# Altium PCB pokey.PcbDoc (part 2 of 4) (continued)
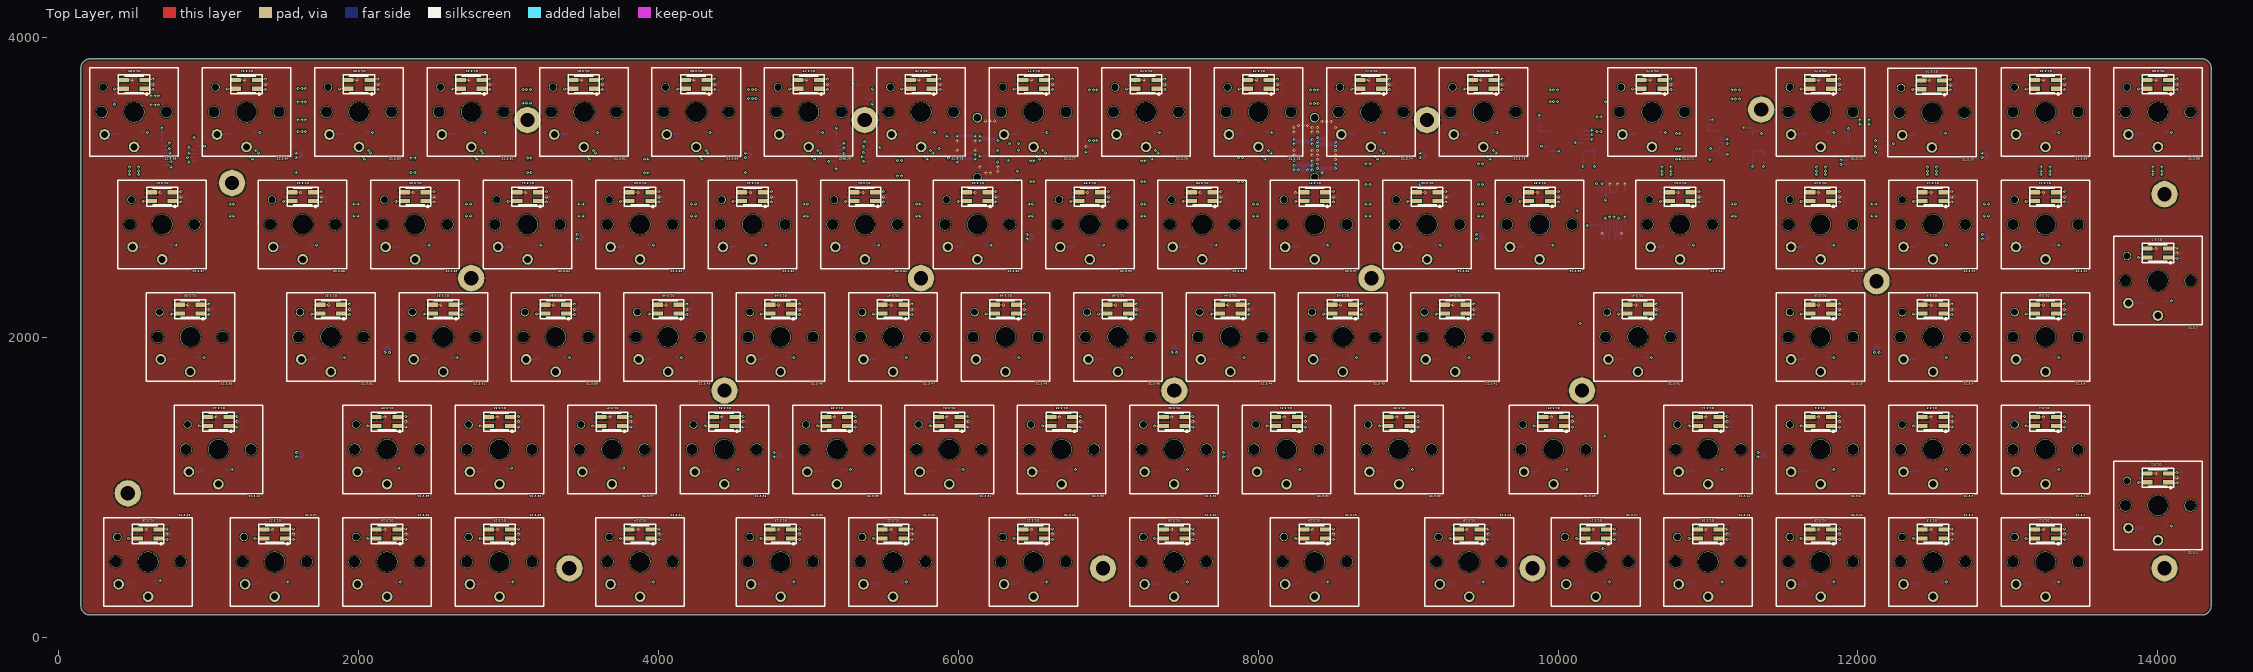
[diagram p0: Top Layer view]
## Nets (pads, with @x,y where several pads share a name; then routed paths per layer and width w, separated by ;. In a path a pad name is that pad's centre, name@x,y a point inside that pad or via, vN(x,y) a via of type N, cw(c..) or ccw(c..) an arc to the next point about the centre after c; other vN are vias at no path point) (continued)
  Bottom Layer w10: U1.2.14@687.5,3302.5 686.67,3303.33 686.67,3391.05 688.64,3393.02 v1(688.64,3395.73) ; v1(900,3335) 919.78,3315.22 U1.2.1@919.78,3302.5 ; U2.2.14@5186.36,3304.27 5185.53,3305.1 C2.2.1@5185.53,3362.5 5185.53,3392.83 5187.5,3394.79 v1(5187.5,3397.5) ; v1(5372.5,3307.5) 5375.21,3307.5 5378.43,3304.27 U2.2.1@5418.64,3304.27 ; R4.2.2@5427.5,3624.47 v1(5427.5,3657.5) ; R7.2.2@9872.13,3451.76 v1(9872.13,3484.79) ; v1(9890,3275) 9893.82,3271.18 U5.2.3@9945,3271.18 ; v1(10167.13,3139.79) 10167.13,3142.49 10169.09,3144.46 C8.2.1@10169.09,3174.79 10169.41,3175.1 U5.2.16@10169.41,3220 ; U5.2.11@10169.41,3347.95 10220.29,3347.95 v1(10227.13,3354.79) ; v1(10192.5,2747.5) C10.2.1@10222.5,2747.5 10265.97,2747.5 10267.71,2745.75 U6.2.16@10267.71,2745.22 ; v1(10242.13,3139.79) R5.2.2@10242.13,3172.82 ; R2.2.2@11001.7,3451.76 11002.58,3450.88 11029.12,3450.88 v1(11030,3450) ; v1(11016.7,3259.79) 11030.89,3245.59 U4.2.2@11074.57,3245.59 U4.2.3@11074.57,3271.18 ; v1(11296.7,3139.79) 11298.67,3141.76 C5.2.1@11298.67,3174.79 11298.98,3175.1 U4.2.16@11298.98,3220 ; U4.2.11@11298.98,3347.95 U4.2.10@11298.98,3373.54 11342.94,3373.54 v1(11356.7,3359.79) ; v1(11371.7,3139.79) R1.2.2@11371.7,3174.79 ; U3.2.14@11935.92,3309.27 11935.92,3361.36 C3.2.1@11937.07,3362.5 v1(11937.07,3392.5) ; v1(12117.07,3312.5) 12119.77,3312.5 12123,3309.27 U3.2.1@12168.21,3309.27
  Bottom Layer w15: v1(1580,3200) 1610.96,3200 C12.1.2@1625,3214.04 1609.04,3230 v1(1580,3230) ; v1(4580,3200) 4610.96,3200 C13.1.2@4625,3214.04 4609.04,3230 v1(4580,3230) ; v1(5990,3170) 6001.56,3181.56 6042.97,3181.56 U1.1.27@6049.25,3187.84 ; v1(5990,3200) 5991.35,3200 5997.24,3194.11 6042.97,3194.11 U1.1.27@6049.25,3187.84 ; v1(5990,3345) 5990.32,3345.32 U1.1.19@6049.25,3345.32 6049.56,3345 v1(6110,3345) ; v1(6110,3190) 6051.41,3190 U1.1.27@6049.25,3187.84 ; v1(6145,3210) 6201.1,3210 U1.1.26@6202.06,3209.04 ; v1(6145,3310) 6146.35,3310 6155.7,3319.35 6197.3,3319.35 U1.1.20@6203.58,3325.63 ; v1(6145,3345) 6158.09,3331.91 6197.3,3331.91 U1.1.20@6203.58,3325.63 ; U1.1.26@6203.58,3207.52 U1.1.26@6202.06,3209.04 ; v1(6260,3210) 6259.04,3209.04 U1.1.26@6202.06,3209.04 ; v1(6265,3315) 6263.65,3315 6257.66,3320.99 6208.22,3320.99 U1.1.20@6203.58,3325.63 ; v1(9077.5,3200) C14.1.2@9108.46,3200 ; v1(9077.5,3230) 9106.54,3230 C14.1.2@9122.5,3214.04 ; v1(12827.07,3200) 12858.03,3200 C15.1.2@12872.07,3214.04 12856.1,3230 v1(12827.07,3230) ; C14.1.2@9108.46,3200 9110.31,3200 9122.5,3212.19 C14.1.2@9122.5,3214.04 ; C14.1.2@9108.46,3200 C14.1.2@9122.5,3214.04
5V: C1.1.2 C1.3.1.1 C1.3.2.1 C1.3.3.1 C1.3.4.1 C1.3.5.1 C1.3.6.1 C1.3.7.1 C1.3.8.1 C1.3.9.1 C1.3.10.1 C1.3.11.1 C1.3.12.1 C1.3.13.1 C1.3.14.1 C1.3.15.1 C1.3.16.1 C1.3.17.1 C1.3.18.1 C1.3.19.1 C1.3.20.1 C1.3.21.1 C1.3.22.1 C1.3.23.1 C1.3.24.1 C1.3.25.1 C1.3.26.1 C1.3.27.1 C1.3.28.1 C1.3.29.1 C1.3.30.1 C1.3.31.1 C1.3.32.1 C1.3.33.1 C1.3.34.1 C1.3.35.1 C1.3.36.1 C1.3.37.1 C1.3.38.1 C1.3.39.1 C1.3.40.1 C1.3.41.1 C1.3.42.1 C1.3.43.1 C1.3.44.1 C1.3.45.1 C1.3.46.1 C1.3.47.1 C1.3.48.1 C1.3.49.1 C1.3.50.1 C1.3.51.1 C1.3.52.1 C1.3.53.1 C1.3.54.1 C1.3.55.1 C1.3.56.1 C1.3.57.1 C1.3.58.1 C1.3.59.1 C1.3.60.1 C1.3.61.1 C1.3.62.1 C1.3.63.1 C1.3.64.1 C1.3.65.1 C1.3.66.1 C1.3.67.1 C1.3.68.1 C1.3.69.1 C1.3.70.1 C1.3.71.1 C1.3.72.1 C1.3.73.1 C1.3.74.1 C1.3.75.1 C1.3.76.1 C1.3.77.1 C1.3.78.1 C1.3.79.1 C1.3.80.1 C1.3.81.1 C1.3.82.1 C1.3.83.1 C1.3.84.1 C1.3.85.1 C2.1.2 C3.1.2 C4.1.2 C5.1.2 C6.1.2 C7.1.2 C8.1.2 C9.1.2 C10.1.2 C11.1.2 D1.3.1.1 D1.3.2.1 D1.3.3.1 D1.3.4.1 D1.3.5.1 D1.3.6.1 D1.3.7.1 D1.3.8.1 D1.3.9.1 D1.3.10.1 D1.3.11.1 D1.3.12.1 D1.3.13.1 D1.3.14.1 D1.3.15.1 D1.3.16.1 D1.3.17.1 D1.3.18.1 D1.3.19.1 D1.3.20.1 D1.3.21.1 D1.3.22.1 D1.3.23.1 D1.3.24.1 D1.3.25.1 D1.3.26.1 D1.3.27.1 D1.3.28.1 D1.3.29.1 D1.3.30.1 D1.3.31.1 D1.3.32.1 D1.3.33.1 D1.3.34.1 D1.3.35.1 D1.3.36.1 D1.3.37.1 D1.3.38.1 D1.3.39.1 D1.3.40.1 D1.3.41.1 D1.3.42.1 D1.3.43.1 D1.3.44.1 D1.3.45.1 D1.3.46.1 D1.3.47.1 D1.3.48.1 D1.3.49.1 D1.3.50.1 D1.3.51.1 D1.3.52.1 D1.3.53.1 D1.3.54.1 D1.3.55.1 D1.3.56.1 D1.3.57.1 D1.3.58.1 D1.3.59.1 D1.3.60.1 D1.3.61.1 D1.3.62.1 D1.3.63.1 D1.3.64.1 D1.3.65.1 D1.3.66.1 D1.3.67.1 D1.3.68.1 D1.3.69.1 D1.3.70.1 D1.3.71.1 D1.3.72.1 D1.3.73.1 D1.3.74.1 D1.3.75.1 D1.3.76.1 D1.3.77.1 D1.3.78.1 D1.3.79.1 D1.3.80.1 D1.3.81.1 D1.3.82.1 D1.3.83.1 D1.3.84.1 D1.3.85.1 R3.2.2 U1.1.5 U1.1.6 U1.1.7 U1.1.14 U1.1.15 | length 14516.3
  Top Layer w10: D1.3.85.1@578.66,3652.5 v1(627.07,3652.5) ; D1.3.28.1@672.41,652.5 v1(720.82,652.5) ; D1.3.67.1@766.16,2902.5 v1(814.57,2902.5) ; D1.3.53.1@953.66,2152.5 v1(1002.07,2152.5) ; D1.3.40.1@1141.16,1402.5 v1(1189.57,1402.5) ; D1.3.84.1@1328.66,3652.5 v1(1377.07,3652.5) ; D1.3.27.1@1516.16,652.5 v1(1564.57,652.5) ; D1.3.66.1@1703.66,2902.5 v1(1752.07,2902.5) ; D1.3.52.1@1891.16,2152.5 v1(1939.57,2152.5) ; D1.3.83.1@2078.66,3652.5 v1(2127.07,3652.5) ; D1.3.26.1@2266.16,652.5 v1(2314.57,652.5) ; D1.3.39.1@2266.16,1402.5 v1(2314.57,1402.5) ; D1.3.65.1@2453.66,2902.5 v1(2502.07,2902.5) ; D1.3.51.1@2641.16,2152.5 v1(2689.57,2152.5) ; D1.3.82.1@2828.66,3652.5 v1(2877.07,3652.5) ; D1.3.25.1@3016.16,652.5 v1(3064.57,652.5) ; D1.3.38.1@3016.16,1402.5 v1(3064.57,1402.5) ; D1.3.64.1@3203.66,2902.5 v1(3252.07,2902.5) ; D1.3.50.1@3391.16,2152.5 v1(3439.57,2152.5) ; D1.3.81.1@3578.66,3652.5 v1(3627.07,3652.5) ; D1.3.37.1@3766.16,1402.5 v1(3814.57,1402.5) ; D1.3.24.1@3953.66,652.5 v1(4002.07,652.5) ; D1.3.63.1@3953.66,2902.5 v1(4002.07,2902.5) ; D1.3.49.1@4141.16,2152.5 v1(4189.57,2152.5) ; D1.3.80.1@4328.66,3652.5 v1(4377.07,3652.5) ; D1.3.36.1@4516.16,1402.5 v1(4564.57,1402.5) ; D1.3.62.1@4703.66,2902.5 v1(4752.07,2902.5) ; D1.3.23.1@4891.16,652.5 v1(4939.57,652.5) ; D1.3.48.1@4891.16,2152.5 v1(4939.57,2152.5) ; D1.3.79.1@5078.66,3652.5 v1(5127.07,3652.5) ; D1.3.35.1@5266.16,1402.5 v1(5314.57,1402.5) ; D1.3.61.1@5453.66,2902.5 v1(5502.07,2902.5) ; D1.3.22.1@5641.16,652.5 v1(5689.57,652.5) ; D1.3.47.1@5641.16,2152.5 v1(5689.57,2152.5) ; D1.3.78.1@5828.66,3652.5 v1(5877.07,3652.5) ; D1.3.34.1@6016.16,1402.5 v1(6064.57,1402.5) ; D1.3.60.1@6203.66,2902.5 v1(6252.07,2902.5) ; D1.3.46.1@6391.16,2152.5 v1(6439.57,2152.5) ; D1.3.21.1@6578.66,652.5 v1(6627.07,652.5) ; D1.3.77.1@6578.66,3652.5 v1(6627.07,3652.5) ; D1.3.33.1@6766.16,1402.5 v1(6814.57,1402.5) ; D1.3.59.1@6953.66,2902.5 v1(7002.07,2902.5) ; D1.3.45.1@7141.16,2152.5 v1(7189.57,2152.5) ; D1.3.76.1@7328.66,3652.5 v1(7377.07,3652.5) ; D1.3.20.1@7516.16,652.5 v1(7564.57,652.5) ; D1.3.32.1@7516.16,1402.5 v1(7564.57,1402.5) ; D1.3.58.1@7703.66,2902.5 v1(7752.07,2902.5) ; D1.3.44.1@7891.16,2152.5 v1(7939.57,2152.5) ; D1.3.75.1@8078.66,3652.5 v1(8127.07,3652.5) ; D1.3.31.1@8266.16,1402.5 v1(8314.57,1402.5) ; D1.3.19.1@8453.66,652.5 v1(8502.07,652.5) ; D1.3.57.1@8453.66,2902.5 v1(8502.07,2902.5) ; D1.3.43.1@8641.16,2152.5 v1(8689.57,2152.5) ; D1.3.74.1@8822.28,3658.88 8828.66,3652.5 v1(8877.07,3652.5) ; D1.3.30.1@9016.16,1402.5 v1(9064.57,1402.5) ; D1.3.56.1@9203.66,2902.5 v1(9252.07,2902.5) ; D1.3.42.1@9391.16,2152.5 v1(9439.57,2152.5) ; D1.3.18.1@9484.91,652.5 v1(9533.32,652.5) ; D1.3.73.1@9578.66,3652.5 v1(9627.07,3652.5) ; D1.3.55.1@9953.66,2902.5 v1(10002.07,2902.5) ; D1.3.29.1@10047.41,1402.5 v1(10095.82,1402.5) ; D1.3.17.1@10328.66,652.5 v1(10377.07,652.5) ; D1.3.41.1@10609.91,2152.5 v1(10658.32,2152.5) ; D1.3.72.1@10703.66,3652.5 v1(10752.07,3652.5) ; D1.3.54.1@10891.16,2902.5 v1(10939.57,2902.5) ; D1.3.16.1@11078.66,652.5 v1(11127.07,652.5) ; D1.3.14.1@11078.66,1402.5 v1(11127.07,1402.5) ; D1.3.15.1@11828.66,652.5 v1(11877.07,652.5) ; D1.3.6.1@11828.66,1402.5 v1(11877.07,1402.5) ; D1.3.10.1@11828.66,2152.5 v1(11877.07,2152.5) ; D1.3.13.1@11828.66,2902.5 v1(11877.07,2902.5) ; D1.3.71.1@11828.66,3652.5 v1(11877.07,3652.5) ; D1.3.70.1@12570.45,3648.68 v1(12618.86,3648.68) ; D1.3.3.1@12578.66,652.5 v1(12627.07,652.5) ; D1.3.5.1@12578.66,1402.5 v1(12627.07,1402.5) ; D1.3.9.1@12578.66,2152.5 v1(12627.07,2152.5) ; D1.3.12.1@12578.66,2902.5 v1(12627.07,2902.5) ; D1.3.2.1@13328.66,652.5 v1(13377.07,652.5) ; D1.3.4.1@13328.66,1402.5 v1(13377.07,1402.5) ; D1.3.8.1@13328.66,2152.5 v1(13377.07,2152.5) ; D1.3.11.1@13328.66,2902.5 v1(13377.07,2902.5) ; D1.3.69.1@13328.66,3652.5 v1(13377.07,3652.5) ; D1.3.1.1@14078.66,1027.5 v1(14127.07,1027.5) ; D1.3.7.1@14078.66,2527.5 v1(14127.07,2527.5) ; D1.3.68.1@14078.66,3652.5 v1(14127.07,3652.5)
  Mid-Layer 2 w25: v1(1275,3205) v1(1315,3245) ; v1(1290,3190) v1(1330,3230) ; v1(2025,3205) v1(2065,3245) ; v1(2040,3190) v1(2080,3230) ; v1(2775,3205) v1(2815,3245) ; v1(2790,3190) v1(2830,3230) ; v1(3525,3205) v1(3565,3245) ; v1(3540,3190) v1(3580,3230) ; v1(4275,3205) v1(4315,3245) ; v1(4290,3190) v1(4330,3230) ; v1(5025,3205) v1(5065,3245) ; v1(5040,3190) v1(5080,3230) ; v1(5775,3205) v1(5815,3245) ; v1(5790,3190) v1(5830,3230) ; v1(6525,3205) v1(6565,3245) ; v1(6540,3190) v1(6580,3230) ; v1(7275,3205) v1(7315,3245) ; v1(7290,3190) v1(7330,3230) ; v1(8030,3205) v1(8070,3245) ; v1(8045,3190) v1(8085,3230) ; v1(8780,3205) v1(8820,3245) ; v1(8795,3190) v1(8835,3230) ; v1(9530,3205) v1(9570,3245) ; v1(9545,3190) v1(9585,3230)
  Mid-Layer 2 w30: v1(470,3085) v1(530,3085) ; v1(470,3110) v1(530,3110) ; v1(470,3135) v1(530,3135) ; v1(615,3550) v1(615,3610) ; v1(640,3550) v1(640,3610) ; v1(665,3550) v1(665,3610) ; v1(1595,3375) v1(1595,3450) ; v1(1595,3570) v1(1595,3660) ; v1(1620,3375) v1(1620,3450) ; v1(1620,3570) v1(1620,3660) ; v1(1645,3375) v1(1645,3450) ; v1(1645,3570) v1(1645,3660) ; v1(3095,3565) v1(3095,3655) ; v1(3120,3565) v1(3120,3655) ; v1(3145,3565) v1(3145,3655) ; v1(4600,3595) v1(4600,3655) ; v1(4625,3595) v1(4625,3655) ; v1(4650,3595) v1(4650,3655) ; v1(6875,3315) v2(6875,3650) ; v1(6900,3315) v1(6900,3650) ; v1(6925,3315) v1(6925,3650) ; v1(8350,3560) v1(8350,3650) ; v1(8375,3560) v1(8375,3650) ; v1(8400,3560) v1(8400,3650) ; v1(9945,3575) v1(9945,3650) ; v1(9970,3575) v1(9970,3650) ; v1(9995,3575) v1(9995,3650) ; v1(10695,3085) v1(10755,3085) ; v1(10695,3110) v1(10755,3110) ; v1(10695,3135) v1(10755,3135) ; v1(11160,3590) v1(11160,3650) ; v1(11185,3590) v1(11185,3650) ; v1(11210,3590) v1(11210,3650) ; v1(11725,3085) v1(11785,3085) ; v1(11725,3110) v1(11785,3110) ; v1(11725,3135) v1(11785,3135) ; v1(12015,3425) v1(12075,3425) ; v1(12015,3450) v1(12075,3450) ; v1(12465,3085) v1(12525,3085) ; v1(12465,3110) v1(12525,3110) ; v1(12465,3135) v1(12525,3135) ; v1(13220,3085) v1(13280,3085) ; v1(13220,3110) v1(13280,3110) ; v1(13220,3135) v1(13280,3135) ; v1(13970,3085) v1(14030,3085) ; v1(13970,3110) v1(14030,3110) ; v1(13970,3135) v1(14030,3135)
  Bottom Layer w10: v1(372.5,3552.5) R3.2.2@372.5,3587.5 ; v1(627.07,3652.5) C1.3.85.1@659.03,3652.5 ; v1(720.82,652.5) C1.3.28.1@752.78,652.5 ; v1(814.57,2902.5) C1.3.67.1@846.53,2902.5 ; v1(1002.07,2152.5) C1.3.53.1@1034.03,2152.5 ; v1(1189.57,1402.5) C1.3.40.1@1221.53,1402.5 ; v1(1377.07,3652.5) C1.3.84.1@1409.03,3652.5 ; v1(1564.57,652.5) C1.3.27.1@1596.53,652.5 ; v1(1752.07,2902.5) C1.3.66.1@1784.03,2902.5 ; v1(1939.57,2152.5) C1.3.52.1@1971.53,2152.5 ; v1(2127.07,3652.5) C1.3.83.1@2159.03,3652.5 ; v1(2314.57,652.5) C1.3.26.1@2346.53,652.5 ; v1(2314.57,1402.5) C1.3.39.1@2346.53,1402.5 ; v1(2502.07,2902.5) C1.3.65.1@2534.03,2902.5 ; v1(2689.57,2152.5) C1.3.51.1@2721.53,2152.5 ; v1(2877.07,3652.5) C1.3.82.1@2909.03,3652.5 ; v1(3064.57,652.5) C1.3.25.1@3096.53,652.5 ; v1(3064.57,1402.5) C1.3.38.1@3096.53,1402.5 ; v1(3252.07,2902.5) C1.3.64.1@3284.03,2902.5 ; v1(3439.57,2152.5) C1.3.50.1@3471.53,2152.5 ; v1(3627.07,3652.5) C1.3.81.1@3659.03,3652.5 ; v1(3814.57,1402.5) C1.3.37.1@3846.53,1402.5 ; v1(4002.07,652.5) C1.3.24.1@4034.03,652.5 ; v1(4002.07,2902.5) C1.3.63.1@4034.03,2902.5 ; v1(4189.57,2152.5) C1.3.49.1@4221.53,2152.5 ; v1(4377.07,3652.5) C1.3.80.1@4409.03,3652.5 ; v1(4564.57,1402.5) C1.3.36.1@4596.53,1402.5 ; v1(4752.07,2902.5) C1.3.62.1@4784.03,2902.5 ; v1(4939.57,652.5) C1.3.23.1@4971.53,652.5 ; v1(4939.57,2152.5) C1.3.48.1@4971.53,2152.5 ; v1(5127.07,3652.5) C1.3.79.1@5159.03,3652.5 ; v1(5314.57,1402.5) C1.3.35.1@5346.53,1402.5 ; v1(5502.07,2902.5) C1.3.61.1@5534.03,2902.5 ; v1(5689.57,652.5) C1.3.22.1@5721.53,652.5 ; v1(5689.57,2152.5) C1.3.47.1@5721.53,2152.5 ; v1(5877.07,3652.5) C1.3.78.1@5909.03,3652.5 ; v1(6064.57,1402.5) C1.3.34.1@6096.53,1402.5 ; v1(6252.07,2902.5) C1.3.60.1@6284.03,2902.5 ; v1(6439.57,2152.5) C1.3.46.1@6471.53,2152.5 ; v1(6627.07,652.5) C1.3.21.1@6659.03,652.5 ; v1(6627.07,3652.5) C1.3.77.1@6659.03,3652.5 ; v1(6814.57,1402.5) C1.3.33.1@6846.53,1402.5 ; v1(6852.07,3237.5) C1.3.76.1@6884.03,3237.5 ; v1(7002.07,2902.5) C1.3.59.1@7034.03,2902.5 ; v1(7189.57,2152.5) C1.3.45.1@7221.53,2152.5 ; v1(7564.57,652.5) C1.3.20.1@7596.53,652.5 ; v1(7564.57,1402.5) C1.3.32.1@7596.53,1402.5 ; v1(7752.07,2902.5) C1.3.58.1@7784.03,2902.5 ; v1(7939.57,2152.5) C1.3.44.1@7971.53,2152.5 ; v1(8127.07,3652.5) C1.3.75.1@8159.03,3652.5 ; v1(8314.57,1402.5) C1.3.31.1@8346.53,1402.5 ; v1(8502.07,652.5) C1.3.19.1@8534.03,652.5 ; v1(8502.07,2902.5) C1.3.57.1@8534.03,2902.5 ; v1(8689.57,2152.5) C1.3.43.1@8721.53,2152.5 ; v1(8877.07,3652.5) 8909.03,3652.5 C1.3.74.1@8912.07,3655.53 ; v1(9064.57,1402.5) C1.3.30.1@9096.53,1402.5 ; v1(9252.07,2902.5) C1.3.56.1@9284.03,2902.5 ; v1(9439.57,2152.5) C1.3.42.1@9471.53,2152.5 ; v1(9533.32,652.5) C1.3.18.1@9565.28,652.5 ; v1(9627.07,3652.5) C1.3.73.1@9659.03,3652.5 ; v1(10002.07,2902.5) C1.3.55.1@10034.03,2902.5 ; v1(10095.82,1402.5) C1.3.29.1@10127.78,1402.5 ; v1(10377.07,652.5) C1.3.17.1@10409.04,652.5 ; v1(10658.32,2152.5) C1.3.41.1@10690.28,2152.5 ; v1(10752.07,3652.5) C1.3.72.1@10784.03,3652.5 ; v1(10939.57,2902.5) C1.3.54.1@10971.53,2902.5 ; v1(11127.07,652.5) C1.3.16.1@11159.04,652.5 ; v1(11127.07,1402.5) C1.3.14.1@11159.04,1402.5 ; v1(11877.07,652.5) C1.3.15.1@11909.04,652.5 ; v1(11877.07,1402.5) C1.3.6.1@11909.03,1402.5 ; v1(11877.07,2152.5) C1.3.10.1@11909.03,2152.5 ; v1(11877.07,2902.5) C1.3.13.1@11909.03,2902.5 ; v1(11877.07,3652.5) C1.3.71.1@11909.03,3652.5 ; v1(12618.86,3648.68) C1.3.70.1@12650.83,3648.68 ; v1(12627.07,652.5) C1.3.3.1@12659.03,652.5 ; v1(12627.07,1402.5) C1.3.5.1@12659.03,1402.5 ; v1(12627.07,2152.5) C1.3.9.1@12659.03,2152.5 ; v1(12627.07,2902.5) C1.3.12.1@12659.03,2902.5 ; v1(13377.07,652.5) C1.3.2.1@13409.03,652.5 ; v1(13377.07,1402.5) C1.3.4.1@13409.03,1402.5 ; v1(13377.07,2152.5) C1.3.8.1@13409.03,2152.5 ; v1(13377.07,2902.5) C1.3.11.1@13409.03,2902.5 ; v1(13377.07,3652.5) C1.3.69.1@13409.03,3652.5 ; v1(14127.07,1027.5) C1.3.1.1@14159.03,1027.5 ; v1(14127.07,2527.5) C1.3.7.1@14159.03,2527.5 ; v1(14127.07,3652.5) C1.3.68.1@14159.03,3652.5
  Bottom Layer w15: v1(1585,1201.53) 1615.96,1201.53 C8.1.2@1630,1215.57 1614.04,1231.53 v1(1585,1231.53) ; v1(2174.04,1898.44) 2174.04,1927.48 C2.1.2@2190,1943.44 2204.04,1929.41 v1(2204.04,1898.44) ; v1(3457.5,2655) 3488.46,2655 C9.1.2@3502.5,2669.04 3486.54,2685 v1(3457.5,2685) ; v1(4770,1201.53) 4800.96,1201.53 C10.1.2@4815,1215.57 4799.04,1231.53 v1(4770,1231.53) ; v1(6457.5,2655) 6488.46,2655 C11.1.2@6502.5,2669.04 6486.54,2685 v1(6457.5,2685) ; v1(7424.04,1898.44) 7424.04,1927.48 C3.1.2@7440,1943.44 7454.04,1929.41 v1(7454.04,1898.44) ; v1(7770,1201.53) 7800.96,1201.53 C4.1.2@7815,1215.57 7799.04,1231.53 v1(7770,1231.53) ; v1(9457.5,2655) 9488.46,2655 C5.1.2@9502.5,2669.04 9486.54,2685 v1(9457.5,2685) ; v1(11332.07,1201.53) 11363.03,1201.53 C6.1.2@11377.07,1215.57 11361.1,1231.53 v1(11332.07,1231.53) ; v1(12111.1,1898.44) 12111.1,1927.48 C1.1.2@12127.07,1943.44 12141.1,1929.41 v1(12141.1,1898.44) ; v1(12832.07,2655) 12863.03,2655 C7.1.2@12877.07,2669.04 12861.1,2685 v1(12832.07,2685)
  Bottom Layer w25: v1(8240,3290) 8254.67,3304.67 8297.97,3304.67 U1.1.6@8299.25,3305.95 ; v1(8240,3320) 8252.78,3307.22 8297.97,3307.22 U1.1.6@8299.25,3305.95 ; 8300,3115 8300,3115.78 ; v1(8360,3115) v1@8360,3115.36 ; v1(8360,3175) v1(8360,3145) ; v1(8360,3290) 8360,3305 ; v1(8360,3320) 8360,3305 ; v1@8394.13,3155 8394.13,3125.87 v1(8395,3125) 8397.5,3127.5 U1.1.15@8425.13,3127.5 ; v1(8395,3275) 8395,3290 ; v1(8395,3335) 8395,3320 ; v1(8425,3095) 8425,3115 8425.13,3115.13 U1.1.15@8425.13,3127.5 ; v1(8515,3155) v1(8515,3125) 8511.28,3128.72 8453.64,3128.72 U1.1.15@8453.58,3128.78 ; v1(8515,3275) 8515,3290 ; v1(8515,3305) 8515,3290 ; U1.1.6@8299.25,3305.95 8359.05,3305.95 8360,3305 ; U1.1.14@8299.48,3148.23 8300,3147.71 8300,3115.78 ; U1.1.14@8299.48,3148.23 U1.1.14@8299.25,3148.47 8298.26,3147.48 8242.48,3147.48 v1(8240,3145) v1(8240,3115) 8240.78,3115.78 8300,3115.78 ; U1.1.14@8299.48,3148.23 8356.77,3148.23 v1(8360,3145) ; 8300,3115.78 8360,3115.78 v1(8360,3145) ; 8395,3290 v1(8395,3305) 8395,3320 ; 8395,3290 8397.46,3287.54 8452.3,3287.54 U1.1.7@8453.58,3286.26 ; 8395,3320 8399.35,3324.35 8452.3,3324.35 U1.1.5@8453.58,3325.63 U1.1.7@8453.58,3286.26 ; U1.1.15@8425.13,3127.5 8452.3,3127.5 U1.1.15@8453.58,3128.78 ; U1.1.15@8425.13,3127.5 8426.41,3128.78 U1.1.15@8453.58,3128.78 ; U1.1.7@8453.58,3286.26 U1.1.7@8453.58,3286.26 8511.3,3286.3 8515,3290
  other v1: 8270,3115 8330,3115 8395,3155
COL_0: S1.3.28.1 S1.3.40.1 S1.3.53.1 S1.3.67.1 S1.3.85.1 U1.2.3 | length 4343.5
  Mid-Layer 1 w10: S1.3.28.1@595.16,270.71 775.7,270.71 1063.91,558.91 S1.3.40.1@1063.91,1020.71 974.57,1110.05 974.57,1672.56 S1.3.53.1@876.41,1770.71 787.07,1860.05 787.07,2422.56 S1.3.67.1@688.91,2520.71 599.57,2610.05 599.57,2955.43 501.41,3053.59 S1.3.85.1@501.41,3270.71 654.29,3270.71 687.5,3237.5 687.5,3132.5 715,3105 885,3105 912.5,3132.5 912.5,3272.5 902.5,3282.5 882.5,3282.5 870.73,3270.73 v1(868.64,3270.73)
  Bottom Layer w10: v1(868.64,3270.73) 870.56,3268.82 870.56,3258.82 878.05,3251.32 U1.2.3@919.78,3251.32
COL_1: S1.3.27.1 S1.3.52.1 S1.3.66.1 S1.3.84.1 U1.2.4 | length 4013
  Mid-Layer 1 w10: v1(868.64,3230.73) 846,3253.37 846,3295 856,3305 990,3305 1024.29,3270.71 S1.3.84.1@1251.41,3270.71 1537.07,2985.06 1537.07,2610.05 S1.3.66.1@1626.41,2520.71 1724.57,2422.56 1724.57,1860.05 S1.3.52.1@1813.91,1770.71 1813.91,1263.91 1349.57,799.57 1349.57,360.05 S1.3.27.1@1438.91,270.71
  Bottom Layer w10: v1(868.64,3230.73) 871.35,3230.73 876.35,3225.73 U1.2.4@919.78,3225.73
COL_2: S1.3.26.1 S1.3.39.1 S1.3.51.1 S1.3.65.1 S1.3.83.1 U1.2.5 | length 5055.5
  Mid-Layer 1 w10: v1(858.64,3200.73) 830,3229.37 830,3322.37 914.13,3406.5 1865.62,3406.5 S1.3.83.1@2001.41,3270.71 2287.07,2985.06 2287.07,2610.05 S1.3.65.1@2376.41,2520.71 2474.57,2422.56 2474.57,1860.05 S1.3.51.1@2563.91,1770.71 2563.91,1163.91 2480,1080 2248.21,1080 S1.3.39.1@2188.91,1020.71 2099.57,931.36 2099.57,360.05 S1.3.26.1@2188.91,270.71
  Bottom Layer w10: v1(858.64,3200.73) 859.23,3200.14 U1.2.5@919.78,3200.14
COL_3: S1.3.25.1 S1.3.38.1 S1.3.50.1 S1.3.64.1 S1.3.82.1 U1.2.6 | length 5879.2
  Mid-Layer 1 w10: v1(868.64,3170.73) 849.27,3170.73 814,3206 814,3329 907.5,3422.5 2599.62,3422.5 S1.3.82.1@2751.41,3270.71 3037.07,2985.06 3037.07,2610.05 S1.3.64.1@3126.41,2520.71 3224.57,2422.56 3224.57,1860.05 S1.3.50.1@3313.91,1770.71 3313.91,1168.91 3225,1080 2998.21,1080 S1.3.38.1@2938.91,1020.71 2849.57,931.36 2849.57,360.05 S1.3.25.1@2938.91,270.71
  Bottom Layer w10: v1(868.64,3170.73) 872.46,3174.55 U1.2.6@919.78,3174.55
COL_4: S1.3.24.1 S1.3.37.1 S1.3.49.1 S1.3.63.1 S1.3.81.1 U1.2.10 | length 6921.4
  Mid-Layer 1 w10: v1(740,3200) 781.46,3200 785.73,3195.73 798,3208 798,3393 1000.5,3595.5 3344.5,3595.5 3407.5,3532.5 3407.5,3364.62 S1.3.81.1@3501.41,3270.71 3787.07,2985.06 3787.07,2610.05 S1.3.63.1@3876.41,2520.71 3974.57,2422.56 3974.57,1860.05 S1.3.49.1@4063.91,1770.71 4063.91,1168.91 3975,1080 3748.21,1080 S1.3.37.1@3688.91,1020.71 3688.91,916.09 3787.07,817.93 3787.07,360.05 S1.3.24.1@3876.41,270.71
  Bottom Layer w10: U1.2.10@687.5,3200.14 739.86,3200.14 v1(740,3200)
COL_5: S1.3.23.1 S1.3.36.1 S1.3.48.1 S1.3.62.1 S1.3.80.1 U1.2.11 | length 7749.6
  Mid-Layer 1 w10: v1(740,3230) 768.46,3230 772.73,3225.73 782,3235 782,3399.63 993.87,3611.5 4095.34,3611.5 4157.5,3549.34 4157.5,3364.62 S1.3.80.1@4251.41,3270.71 4537.07,2985.06 4537.07,2610.05 S1.3.62.1@4626.41,2520.71 4724.57,2422.56 4724.57,1860.05 S1.3.48.1@4813.91,1770.71 4813.91,1168.91 4725,1080 4498.21,1080 S1.3.36.1@4438.91,1020.71 4724.57,735.06 4724.57,360.05 S1.3.23.1@4813.91,270.71
  Bottom Layer w10: U1.2.11@687.5,3225.73 691.77,3230 v1(740,3230)
COL_6: S1.3.22.1 S1.3.35.1 S1.3.47.1 S1.3.61.1 S1.3.79.1 U1.2.12 | length 8480.4
  Mid-Layer 1 w10: v1(738.64,3260.73) 755.73,3260.73 766,3271 766,3406.25 987.24,3627.5 4827.5,3627.5 4912.5,3542.5 4912.5,3359.62 S1.3.79.1@5001.41,3270.71 5287.07,2985.06 5287.07,2610.05 S1.3.61.1@5376.41,2520.71 5474.57,2422.56 5474.57,1860.05 S1.3.47.1@5563.91,1770.71 5563.91,1168.91 5475,1080 5248.21,1080 S1.3.35.1@5188.91,1020.71 5474.57,735.06 5474.57,360.05 S1.3.22.1@5563.91,270.71
  Bottom Layer w10: U1.2.12@687.5,3251.32 729.23,3251.32 v1(738.64,3260.73)
COL_7: S1.3.34.1 S1.3.46.1 S1.3.60.1 S1.3.78.1 U1.2.13 U2.2.2 | length 9216
  Mid-Layer 1 w10: v1(738.64,3295.73) 750,3307.09 750,3412.88 782.5,3445.38 782.5,3552.5 757.5,3577.5 602.5,3577.5 577.5,3602.5 577.5,3727.5 602.5,3752.5 4907.5,3752.5 5120,3540 5120,3220 5192.5,3147.5 5397.5,3147.5 5432.5,3182.5 5432.5,3222.5 v1(5477.5,3267.5) 5748.21,3267.5 S1.3.78.1@5751.41,3270.71 6037.07,2985.06 6037.07,2610.05 S1.3.60.1@6126.41,2520.71 6224.57,2422.56 6224.57,1860.05 S1.3.46.1@6313.91,1770.71 6313.91,1168.91 6225,1080 5998.21,1080 S1.3.34.1@5938.91,1020.71
  Bottom Layer w10: U1.2.13@687.5,3276.91 687.56,3276.97 719.88,3276.97 v1(738.64,3295.73) ; U2.2.2@5418.64,3278.68 5419.82,3277.5 5466.64,3277.5 5476.64,3267.5 v1(5477.5,3267.5)
COL_8: S1.3.21.1 S1.3.33.1 S1.3.45.1 S1.3.59.1 S1.3.77.1 U2.2.3 | length 5000.9
  Mid-Layer 1 w10: v1(5367.5,3272.5) 5383.5,3288.5 5486.5,3288.5 5491,3284 5624,3284 5714,3374 5811.63,3374 5860.52,3422.9 6349.22,3422.9 S1.3.77.1@6501.41,3270.71 6787.07,2985.06 6787.07,2610.05 S1.3.59.1@6876.41,2520.71 6974.57,2422.56 6974.57,1860.05 S1.3.45.1@7063.91,1770.71 7063.91,1168.91 6975,1080 6748.21,1080 S1.3.33.1@6688.91,1020.71 6688.91,863.91 6412.07,587.07 6412.07,360.05 S1.3.21.1@6501.41,270.71
  Bottom Layer w10: v1(5367.5,3272.5) 5369.41,3270.59 5369.41,3260.59 5376.91,3253.09 U2.2.3@5418.64,3253.09
COL_9: S1.3.20.1 S1.3.32.1 S1.3.44.1 S1.3.58.1 S1.3.76.1 U2.2.4 | length 5874.6
  Mid-Layer 1 w10: v1(5367.5,3232.5) 5340.5,3259.5 5340.5,3315.5 5360,3335 5495,3335 5530,3300 5580,3300 5670,3390 5805,3390 5863.81,3448.81 5993.81,3448.81 6055,3510 6204.7,3510 6262.08,3452.62 6387.38,3452.62 6495,3345 6965,3345 7015,3295 7095,3295 7110,3310 7212.12,3310 7215.17,3306.95 S1.3.76.1@7251.41,3270.71 7537.07,2985.06 7537.07,2610.05 S1.3.58.1@7626.41,2520.71 7724.57,2422.56 7724.57,1860.05 S1.3.44.1@7813.91,1770.71 7813.91,1168.91 7725,1080 7498.21,1080 S1.3.32.1@7438.91,1020.71 7438.91,888.91 7349.57,799.57 7349.57,360.05 S1.3.20.1@7438.91,270.71
  Bottom Layer w10: v1(5367.5,3232.5) 5370.21,3232.5 5375.21,3227.5 U2.2.4@5418.64,3227.5
COL_10: S1.3.19.1 S1.3.31.1 S1.3.43.1 S1.3.57.1 S1.3.75.1 U2.2.5 | length 6688.9
  Mid-Layer 1 w10: v1(5357.5,3202.5) 5324.5,3235.5 5324.5,3324.5 5359,3359 5491.63,3359 5539.13,3406.5 5798.87,3406.5 5950.87,3558.5 6304.13,3558.5 6456.13,3406.5 7865.62,3406.5 S1.3.75.1@8001.41,3270.71 8287.07,2985.06 8287.07,2610.05 S1.3.57.1@8376.41,2520.71 8474.57,2422.56 8474.57,1860.05 S1.3.43.1@8563.91,1770.71 8563.91,1168.91 8475,1080 8248.21,1080 S1.3.31.1@8188.91,1020.71 8188.91,891.09 8287.07,792.93 8287.07,360.05 S1.3.19.1@8376.41,270.71
  Bottom Layer w10: v1(5357.5,3202.5) 5358.09,3201.91 U2.2.5@5418.64,3201.91